# EAGLE board D-M-005_otherEagle (EAGLE 9.7.0), part 1 of 2 (continued)
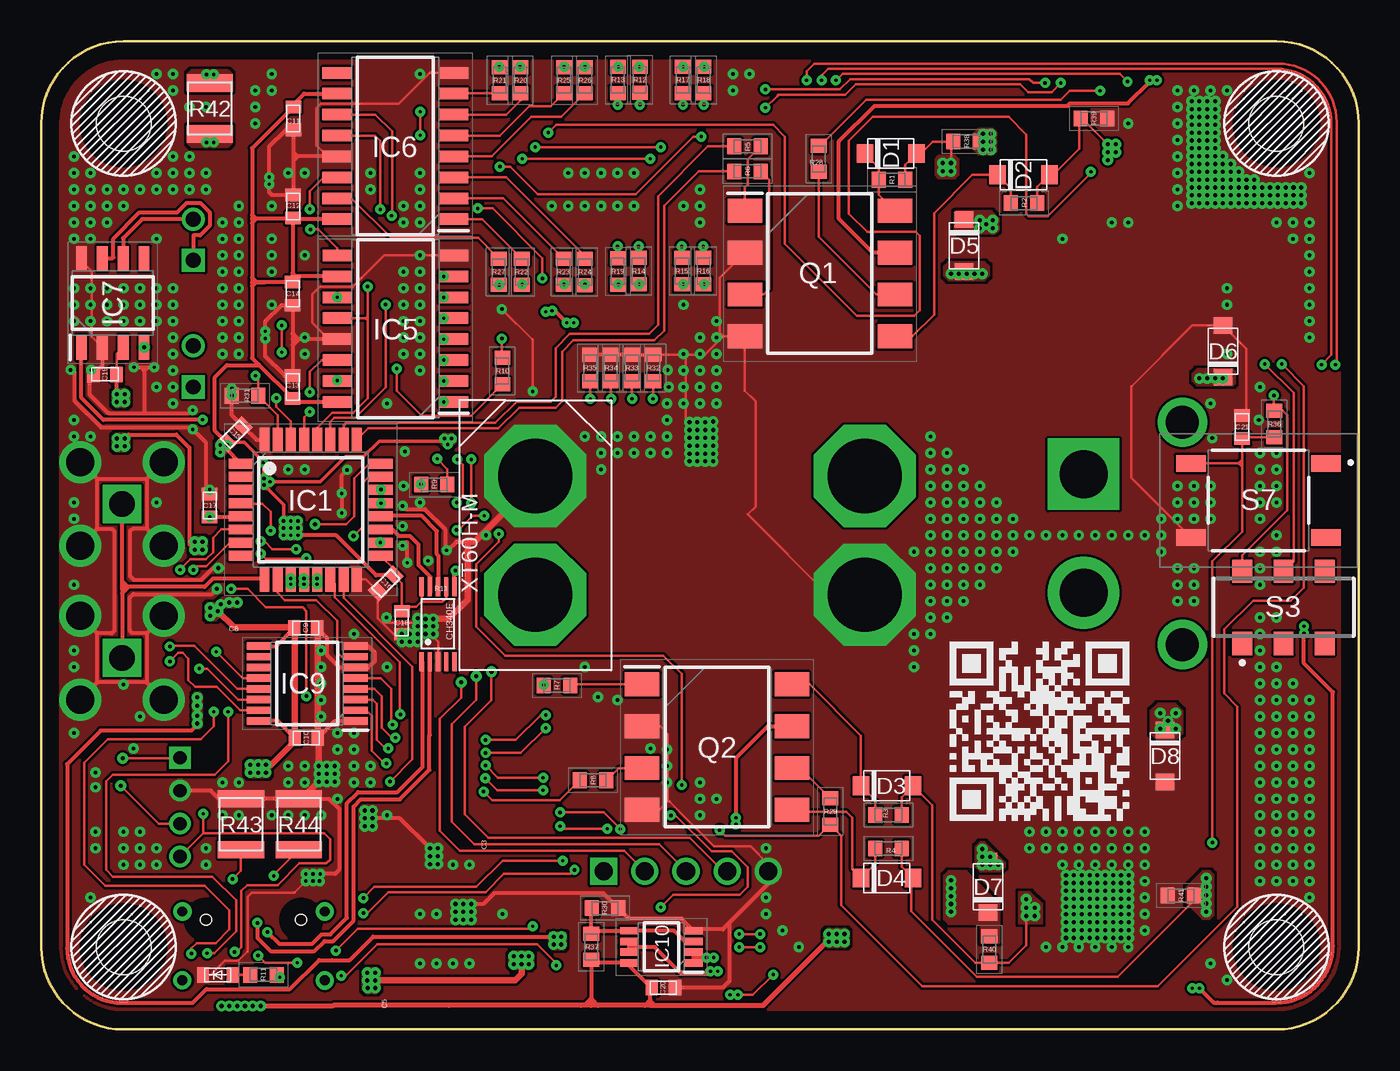
[diagram p0: board, top side]
## Tracks (layer width: path | path; a pad name or v marks a point on that pad's centre or on a via)
3.3V  (via drill 0.2, 0.2 pad 0.03, 0.25 pad 0.03)
  Top 0.152: C11.2 15.31,56.15 | 15.36,49.19 C12.2 15.27,49.22 | 23.09,25.99 23.09,25.95 24.36,25.95 24.59,26.18 IC11.VCC | 23.09,25.99 IC11.V3 | IC1.17 21.43,27.93 C16.2 21.9,27.1 C18.2 22.17,25.67 22.77,25.67 23.09,25.99 | v26.51,49.84 27.42,49.84 30.44,46.83 v30.44,45.6 | S3.4 72.93,28.8 75.64,31.51 75.64,37.3 75.4,37.55 R36.2 74.85,37.56 v74.85,38.49 | v27.86,52.38 28.49,52.38 30.16,50.72 36.11,50.72 39.6,54.21 v40.08,54.21 | v48.26,57.62 48.65,58.02 65.48,58.02 v65.96,57.54
  Top 0.203: v14.72,30.87 14.72,31.86 v13.53,33.06 v13.53,33.45 13.53,34.37 v13.49,34.41 13.52,34.44 12.32,35.64 C15.2 | v13.89,33.25 16.94,33.25 18.45,34.76 19.56,34.76 20.51,35.72 24.32,35.72 v24.48,35.87
  Top 0.254: v30.63,43.57 31.07,43.57 | 31.07,43.57 31.23,43.57 v31.9,42.9 v32.34,42.9 | IC6.10 15.97,56.81 15.31,56.15 | IC6.16 15.36,49.19 | 15.27,45.91 C14.2 13.57,45.37 | 15.27,45.91 15.27,49.22 13.05,49.22 | IC5.10 15.46,45.72 15.27,45.91 | IC5.16 15.48,38.1 C13.2 13.21,40.37 | IC1.1 11.26,35.22 C15.2 10.55,36.35 10.55,39.6 11.27,40.33 13.21,40.33 13.21,40.37 | C11.2 12.81,53.51 12.81,49.46 | 12.81,49.46 12.81,49.25 | 13.05,49.22 12.84,49.22 12.81,49.25 | 13.06,45.37 13.04,45.37 | 12.81,49.25 12.81,48.97 | 12.81,48.97 12.81,45.64 | 12.81,45.64 12.81,45.36 | 12.81,45.36 12.81,45.12 | 12.81,45.12 12.81,40.76 13.21,40.37 | 13.57,45.37 13.56,45.36 12.81,45.36 | 12.81,45.64 13.08,45.37 | 13.08,45.37 13.57,45.37 | 13.08,45.37 13.06,45.37 | 13.06,45.37 12.81,45.12 | 13.05,49.22 12.81,49.46 | 13.05,49.22 13.05,49.21 12.81,48.97 | C10.2 14.36,18.73 IC9.16 | C9.2 14.27,23.28 IC9.9 | IC1.5 12.08,31.11 C17.2 | C16.2 20.34,27.57 17.91,30 v15.59,30 | v31.02,43.63 31.07,43.57
  Top 0.406: v20.27,2.97 28.77,2.97 29.16,3.37 v29.16,3.96 | v12.7,16.07 13.96,16.07 15.39,17.5 C10.2 15.39,24.34 C9.2 15.36,24.4 11.72,24.4 v10.73,25.4
  Bottom 0.152: S4.3 24.43,51.62 24.91,52.1 | 24.91,52.1 25.16,52.34 25.16,54.53 24.7,54.98 19.75,54.98 19.25,54.48 S5.3 | 24.91,52.1 24.91,51.28 26.35,49.84 v26.51,49.84 27.86,51.19 v27.86,52.38 | v30.44,45.6 7SEG2.3 | v40.08,54.21 44.05,58.18 47.7,58.18 v48.26,57.62 | v65.96,57.54 68.02,55.48 68.02,49.69 68.65,49.05 73.58,49.05 76.27,46.35 76.27,39.92 v74.85,38.49
  Bottom 0.203: v31.9,42.9 31.9,42.86 v24.92,35.87 v24.48,35.87
  Bottom 0.254: 7SEG1.3 37.65,43.43 S1.4 S1.3 S1.2 S1.1 33.31,42.9 v32.34,42.9 v31.9,42.9 | 7SEG2.3 30.43,43.78 v30.63,43.57 30.96,43.57 v31.02,43.63 | v11.31,35.48 12.5,35.48 13.45,34.52 | v13.49,34.41 13.53,34.37 v13.53,33.45 | v14.72,30.87 10.47,30.87 C17.2
  Bottom 0.406: C6.2 21.2,3.43 IC4.2 | C6.2 22.14,3.47 22.14,9.86 IC4.4 | C6.2 v20.28,2.98 v20.27,2.97 | IC3.2 28.04,9.61 C4.2 | IC3.4 26.94,3.31 26.94,9.41 C4.2 | C4.2 29.03,10.05 29.16,9.92 v29.16,4.44 | v19.8,3.45 | v19.8,3.45 v20.27,3.45 20.2,3.53 20.2,5.59 20.83,6.23 20.83,8.65 20.06,9.42 19.3,9.42 16.86,11.86 13.69,11.86 12.97,12.58 12.97,15.39 v13.17,15.59 | 15.63,29.96 v15.59,30 | v14.72,30 14.72,28.69 13.93,27.9 12.66,27.9 12.35,27.59 12.35,26.61 11.9,26.16 v11.9,25.92 v11.43,25.92
  other vias: 19.8,2.97 28.69,4.44 29.6,4.44 28.69,3.96 29.6,3.96 13.17,16.07 13.65,16.07 12.7,15.59 13.65,15.59 15.16,30.87 15.59,30.87 14.72,30.44 15.16,30.44 15.59,30.44 15.16,30 10.23,31.11 10.87,35.48 10.87,35.04 24.68,35.52 19.82,2.52 10.9,25.8 10.27,25.59 10.27,25.12 20.28,2.51
  pour Bottom (no thermals): 19.76,2.34 20.31,2.34 20.43,2.46 20.43,3.48 20.31,3.6 19.76,3.6 19.65,3.48 19.65,2.46
  pour Top (no thermals): 19.76,2.34 20.31,2.34 20.43,2.46 20.43,3.48 20.31,3.6 19.76,3.6 19.65,3.48 19.65,2.46
  pour Bottom (no thermals): 28.65,3.81 29.64,3.81 29.76,3.93 29.76,4.48 29.64,4.6 28.65,4.6 28.54,4.48 28.54,3.93
  pour Top (no thermals): 28.65,3.81 29.64,3.81 29.76,3.93 29.76,4.48 29.64,4.6 28.65,4.6 28.54,4.48 28.54,3.93
  pour Bottom (no thermals): 12.66,15.44 13.68,15.44 13.8,15.56 13.8,16.1 13.68,16.22 12.66,16.22 12.54,16.1 12.54,15.56
  pour Top (no thermals): 12.66,15.44 13.68,15.44 13.8,15.56 13.8,16.1 13.68,16.22 12.66,16.22 12.54,16.1 12.54,15.56
  pour Bottom (no thermals): 14.65,29.81 15.66,29.81 15.78,29.93 15.78,30.94 15.66,31.06 14.65,31.06 14.53,30.94 14.53,29.93
  pour Top (no thermals): 14.65,29.81 15.66,29.81 15.78,29.93 15.78,30.94 15.66,31.06 14.65,31.06 14.53,30.94 14.53,29.93
  pour Top (no thermals): 10.19,30.95 10.28,30.95 10.36,31.02 10.36,31.23 10.11,31.23 10.11,31.02
  pour Top (no thermals): 10.79,34.82 10.99,34.82 11.52,35.36 11.52,35.59 11.42,35.69 10.75,35.69 10.65,35.59 10.65,34.96
  pour Bottom (no thermals): 10.79,34.82 10.99,34.82 11.52,35.36 11.52,35.55 11.38,35.69 10.75,35.69 10.65,35.59 10.65,34.96
  pour Bottom (no thermals): 13.46,32.87 13.75,32.87 14.08,33.19 14.08,33.32 13.75,33.64 13.46,33.64 13.34,33.52 13.34,32.99
  pour Top (no thermals): 13.46,32.87 13.75,32.87 14.08,33.19 14.08,33.32 13.75,33.64 13.46,33.64 13.34,33.52 13.34,32.99
  pour Top (no thermals): 24.6,35.3 24.76,35.3 25.13,35.68 25.13,35.95 25,36.09 24.41,36.09 24.27,35.95 24.27,35.64
  pour Bottom (no thermals): 24.6,35.3 24.76,35.3 25.13,35.68 25.13,35.95 25,36.09 24.41,36.09 24.27,35.95 24.27,35.64
  pour Bottom (no thermals): 11,26.14 10.7,25.84 10.66,25.82 10.17,25.82 10.04,25.7 10.04,25.01 10.17,24.89 10.58,24.89 10.9,25.21 10.9,25.5 10.92,25.55 11.04,25.66 11.08,25.68 11.97,25.68 12.13,25.85 12.13,26.02 12.01,26.14
  pour Top (no thermals): 11,26.14 10.7,25.84 10.66,25.82 10.17,25.82 10.09,25.75 10.72,25.03 10.9,25.21 10.9,25.46 10.92,25.51 11.08,25.66 11.12,25.68 11.97,25.68 12.13,25.85 12.13,26.02 12.01,26.14
  pour Top (no thermals): 10.15,24.84 10.6,24.84 10.78,25.02 10.04,25.76 9.99,25.72 9.99,24.99
5V  (via drill 0.25 pad 0.03)
  Top 0.152: IC7.3 4.58,41.01 C19.2 | v9.48,18.57 9.48,18.49
  Top 0.254: v4.6,38.57 4.58,38.59 C19.2 | v5.08,35.87 5.31,36.11 8.21,36.11 9,35.32 9,29.45 v9.32,29.13 | v9.48,19.05 9.48,18.49 9.12,18.13 3.61,18.13 1.58,16.11 1.58,4.92 arc90 4.88,1.62 9.2,1.62 10.03,2.44 15.1,2.44 16.87,4.21 17.64,4.21 17.65,4.2 18.73,4.2 20.16,5.63 v31.59,5.63
  Bottom 0.254: v4.6,35.87 v4.6,38.1 | J5.1 34.08,9.6 31.11,6.62 v31.11,5.63 | 31.67,5.63 v31.59,5.63 | v9.8,29.13 9.96,28.97 9.96,26.87 9.66,26.57 9.66,23.07 8.93,22.34 8.93,21.11 9.46,20.57 9.46,20.18 v9.48,20.16
  Bottom 0.406: IC8.3 13.6,25.02 C8.1 11.66,25 11.58,25 10.04,23.45 9.66,23.07
  other vias: 5.08,38.1 5.08,38.57 4.6,35.4 5.08,35.4 9.48,19.64 9.32,29.6 9.8,29.6 31.11,5.16 31.59,5.16
  pour Top (no thermals): 4.53,37.87 5.14,37.87 5.31,38.03 5.31,38.64 5.14,38.8 4.53,38.8 4.37,38.64 4.37,38.03
  pour Top (no thermals): 4.53,35.17 5.14,35.17 5.31,35.33 5.31,35.94 5.14,36.1 4.53,36.1 4.37,35.94 4.37,35.33
  pour Bottom (no thermals): 4.53,37.87 5.14,37.87 5.31,38.03 5.31,38.64 5.14,38.8 4.53,38.8 4.37,38.64 4.37,38.03
  pour Bottom (no thermals): 4.53,35.17 5.14,35.17 5.31,35.33 5.31,35.94 5.14,36.1 4.53,36.1 4.37,35.94 4.37,35.33
  pour Bottom (no thermals): 9.33,18.34 9.63,18.34 9.71,18.42 9.71,20.3 9.63,20.39 9.37,20.39 9.25,20.26 9.25,18.42
  pour Bottom (no thermals): 9.26,28.9 9.86,28.9 10.03,29.06 10.03,29.67 9.86,29.83 9.26,29.83 9.09,29.67 9.09,29.06
  pour Top (no thermals): 9.33,18.34 9.63,18.34 9.71,18.42 9.71,20.3 9.63,20.39 9.37,20.39 9.25,20.26 9.25,18.42
  pour Top (no thermals): 9.26,28.9 9.86,28.9 10.03,29.06 10.03,29.67 9.86,29.83 9.26,29.83 9.09,29.67 9.09,29.06
  pour Bottom (no thermals): 31.04,4.93 31.69,4.93 31.82,5.05 31.82,5.78 31.77,5.82 30.96,5.82 30.88,5.74 30.88,5.09
  pour Top (no thermals): 31.04,4.93 31.69,4.93 31.82,5.05 31.82,5.78 31.77,5.82 30.96,5.82 30.88,5.74 30.88,5.09
7SEG_A1  (via drill 0.2 pad 0.03)
  Top 0.152: IC5.6 v24.44,44.45 | R12.1 v36.35,56.15
  Bottom 0.152: v24.44,44.45 24.44,44.92 25.47,45.95 25.47,47.37 33.7,55.6 36.07,55.6 36.35,55.88 v36.35,56.15
7SEG_A2
  Top 0.152: IC6.6 28.23,55.54 29.11,56.41 R20.1
7SEG_B1  (via drill 0.2 pad 0.03)
  Top 0.152: IC5.7 v24.44,45.72 | v35,56.15 35,56.83 R13.1
  Bottom 0.152: v24.44,45.72 24.52,45.72 25.16,46.35 25.16,47.49 33.83,56.15 v35,56.15
7SEG_B2
  Top 0.152: R21.1 25.05,56.83
  Top 0.254: 25.05,56.83 IC6.7
7SEG_C1  (via drill 0.2 pad 0.03)
  Top 0.152: IC5.1 v24.45,38.1 v24.44,38.1 | R14.1 36.27,46.85 v36.27,47.54
  Bottom 0.152: v24.44,38.1 27.1,40.76 27.1,46.55 27.98,47.42 28.69,48.14 35.67,48.14 v36.27,47.54
7SEG_C2
  Top 0.152: IC6.1 26.78,49.19 R22.1
7SEG_D1  (via drill 0.2 pad 0.03)
  Top 0.152: IC5.2 v24.45,39.37 v24.44,39.37 | R15.1 38.89,46.86 v38.89,47.54
  Bottom 0.152: v24.44,39.37 26.78,41.71 26.78,46.79 28.45,48.45 37.98,48.45 v38.89,47.54
7SEG_D2
  Top 0.152: IC6.2 28.05,50.46 R23.1
7SEG_DP1  (via drill 0.2 pad 0.03)
  Top 0.152: IC5.15 v17.97,39.4 v17.97,39.41 | R19.1 35,46.84 v35,47.54
  Bottom 0.152: v17.97,39.41 21.98,39.41 23.97,37.42 25.56,37.42 32.31,44.17 33.77,44.17 34.05,44.45 34.05,46.59 v35,47.54
7SEG_DP2
  Top 0.152: R27.1 26.53,48.06 21.24,48.06 18.84,50.46 IC6.15
7SEG_E1  (via drill 0.2 pad 0.03)
  Top 0.152: IC5.3 v24.45,40.64 v24.44,40.64 | R16.1 40.2,46.86 v40.2,47.54
  Bottom 0.152: v24.44,40.64 26.43,42.62 26.43,46.99 28.21,48.77 38.97,48.77 v40.2,47.54
7SEG_E2
  Top 0.152: R24.1 33.02,46.95 28.24,51.73 IC6.3
7SEG_F1  (via drill 0.2 pad 0.03)
  Top 0.152: IC5.5 v24.45,43.18 v24.44,43.18 | R17.1 38.97,56.84 v38.97,56.15
  Bottom 0.152: v24.44,43.18 24.44,43.69 25.79,45.04 25.79,47.26 33.8,55.27 38.08,55.27 v38.97,56.15
7SEG_F2
  Top 0.152: IC6.5 27.86,54.27 29.62,56.03 30.95,56.03 R25.1
7SEG_G1  (via drill 0.2 pad 0.03)
  Top 0.152: IC5.4 v24.45,41.91 v24.44,41.91 | R18.1 40.24,56.84 v40.24,56.15
  Bottom 0.152: v40.24,56.15 39.05,54.96 33.93,54.96 26.11,47.14 26.11,43.57 v24.44,41.91
7SEG_G2
  Top 0.152: R26.1 31.59,55.4 29.76,55.4 27.36,53 IC6.4
7SEG_QH'  (via drill 0.2 pad 0.03)
  Top 0.152: IC5.9 17.97,47.43 16.82,48.57 v16.35,48.57 | v16.31,49.8 16.31,50.88 17.15,51.73 IC6.14
  Bottom 0.152: v16.31,49.8 16.31,48.61 v16.35,48.57
7SEG_RCK  (via drill 0.2 pad 0.03)
  Top 0.152: IC6.12 20.25,54.27 20.58,53.94 v20.58,49.79 | 19.82,43.31 v19.82,45.1 | 19.82,43.31 19.68,43.18 | IC5.12 19.68,43.18 | 19.82,43.05 19.82,38.31 18.95,37.44 17.68,37.44 16.76,36.52 IC1.28 | 19.82,43.05 19.82,43.31 | 19.68,43.18 19.82,43.05
  Bottom 0.152: v19.82,45.1 20.42,45.71 20.42,49.63 v20.58,49.79
7SEG_SCK  (via drill 0.2 pad 0.03)
  Top 0.152: IC6.11 20.29,55.54 21.31,54.53 21.31,49.44 v21.27,49.4 | IC1.27 17.56,36.89 17.8,37.13 19.07,37.13 20.91,38.98 v20.91,44.01
  Bottom 0.152: IC5.11 20.73,44.45 | 20.93,44.64 20.93,44.45 | 20.93,44.45 20.93,44.26 | 20.93,44.26 20.93,44.02 v20.91,44.01 | 20.73,44.45 20.93,44.64 | 20.73,44.45 20.93,44.26 | 20.73,44.45 20.92,44.45 20.93,44.45 | 20.93,44.64 20.93,49.06 v21.27,49.4
  other vias: 17.97,44.45
7SEG_SI  (via drill 0.2 pad 0.03)
  Top 0.152: IC5.14 17.02,40.64 16.31,39.92 v16.31,38.69 | IC1.29 15.96,37.16 v16.31,37.5
  Bottom 0.152: v16.31,37.5 v16.31,38.69
ADD_SW1  (via drill 0.2, 0.2 pad 0.03)
  Top 0.152: R32.2 37.16,38.31 v37.14,38.3 | IC9.2 19.73,19.38 20.07,19.03 20.07,16.91 20.83,16.15 v20.96,16.15 | v47.38,57.62 47.38,57.94 47.78,58.34 74.98,58.34 arc-90 78.34,54.98 78.34,40.95 v77.74,40.36 | v34.36,12.18 31.67,12.18 v31.51,12.34 | v30.48,14.52 27.7,14.52 v26.96,15.26
  Bottom 0.152: v37.14,38.3 S1.5 37.14,39.92 41.87,44.64 41.87,52.11 v47.38,57.62 | v20.96,16.15 21.55,15.55 26.47,15.55 26.77,15.26 v26.96,15.26 | v77.74,40.36 78.34,39.76 78.34,5.02 arc-90 74.98,1.66 44.29,1.66 43,2.95 39.94,2.95 39.17,3.73 39.17,7.38 37.86,8.69 37.86,10.47 35.55,12.78 34.92,12.78 34.36,12.22 v34.36,12.18 | v31.51,12.34 31.31,12.34 30.91,12.74 30.91,14.2 30.6,14.52 v30.48,14.52
ADD_SW2  (via drill 0.2, 0.2 pad 0.03)
  Top 0.152: R33.2 v35.87,38.3 | IC9.3 20.13,20.03 20.38,19.78 20.38,17.57 20.89,17.06 v21.07,17.06 | v46.47,57.62 46.47,58.18 46.94,58.64 75.1,58.64 arc-90 78.66,55.09 78.66,40.44 v78.58,40.36 | v31.51,13.17 34.17,13.17 35.16,12.18 v35.16,12.16 | v30.48,15.28 27.73,15.28 v26.98,16.03
  Bottom 0.152: v35.87,38.3 S1.6 35.87,39.21 41.51,44.84 41.51,52.66 v46.47,57.62 | v78.58,40.36 78.66,40.28 78.66,4.9 arc-90 75.1,1.35 44.17,1.35 42.88,2.64 39.46,2.64 38.85,3.25 38.85,7.26 38.04,8.07 36.25,8.07 35.44,8.88 35.44,11.9 35.17,12.16 v35.16,12.16 | v31.51,13.17 31.51,13.21 31.23,13.49 31.23,14.6 30.55,15.28 v30.48,15.28 | v21.07,17.06 21.23,17.06 21.39,16.9 21.39,16.51 22.03,15.87 26.82,15.87 v26.98,16.03
ADD_SW3  (via drill 0.2, 0.2 pad 0.03)
  Top 0.152: R34.2 34.57,38.33 v34.6,38.3 | IC9.4 20.23,20.68 20.68,20.23 20.68,18.32 21.29,17.71 v21.51,17.71 | v26.11,34.6 v26.11,31.95 | v26.98,16.79 29.13,16.79 v30.63,18.29
  Bottom 0.152: v34.6,38.3 S1.7 34.6,37.14 34.27,36.81 32.83,36.81 31.86,37.78 28.57,37.78 26.11,35.32 v26.11,34.6 | v21.51,17.71 21.65,17.71 21.74,17.62 21.74,16.59 22.14,16.19 26.38,16.19 v26.98,16.79 | v26.11,31.95 26.07,31.91 26.07,24.48 28.45,22.1 30.91,22.1 31.85,21.16 31.85,19.51 v30.63,18.29
ADD_SW4  (via drill 0.2, 0.2 pad 0.03)
  Top 0.152: R35.2 v33.33,38.3 | IC9.5 20.61,21.33 21.27,20.67 21.27,18.56 v21.33,18.5 | v25.24,31.98 25.24,32.02 25.59,32.38 25.59,34.29 v25.28,34.6 | v26.98,17.58 28.81,17.58 30.32,19.09 v30.63,19.09
  Bottom 0.152: v33.33,38.3 S1.8 33.09,38.08 28.16,38.08 25.28,35.2 v25.28,34.6 | v21.33,18.5 21.97,18.5 22.06,18.41 22.06,16.81 22.36,16.51 25.95,16.51 26.98,17.54 v26.98,17.58 | v25.24,31.98 25.24,31.86 25.75,31.35 25.75,24.32 28.29,21.79 30.79,21.79 31.55,21.03 31.55,19.68 30.95,19.09 v30.63,19.09
BOOT0  (via drill 0.2, 0.2 pad 0.03)
  Top 0.152: IC1.31 14.36,37.3 R31.2 13.18,39.51 v13.01,39.68 | S3.5 76.04,28.44 76.04,38.65 v74.29,40.4 | v30.79,54.45 31.27,54.92 44.45,54.92 45.16,54.21 45.16,47.7 49.52,43.34 53.02,43.34 53.34,43.65 53.34,48.18 53.1,48.41 50.16,48.41 49.04,49.53 49.04,53.96 50.48,55.4 58.73,55.4 59.8,54.33 59.8,49.53 59.97,49.37 61.11,49.37 63.73,51.99 v63.73,52.07
  Bottom 0.152: v13.01,39.68 12.77,39.92 12.77,51.87 13.85,52.94 13.85,55.76 14.96,56.87 26.9,56.87 28.76,55 30.24,55 v30.79,54.45 | v74.29,40.4 74.29,45.48 72.23,47.54 65,47.54 63.73,48.81 v63.73,52.07
CAN_H
  Top 0.254: J6.1 9.24,48.21 9.65,48.21 10.22,48.79 10.22,49.6 9.65,50.18 8.83,50.18 8.26,49.61 5.97,49.61 4.38,48.01 4.38,46.88 4.31,46.81 IC7.7
  Bottom 0.254: J4.1 9.24,40.52 9.65,40.52 10.22,41.1 10.22,41.91 9.64,42.5 9.64,46.3 J6.1 9.64,47.1 9.64,48.21 9.65,48.21 10.22,48.79 10.22,49.55 11.9,51.23 11.9,52.93 S2.5
CAN_L
  Top 0.254: IC7.6 4.98,48.04 6.13,49.2 J6.2
  Bottom 0.254: S2.2 11.46,56.89 11.46,51.42 J6.2 9.24,47.69 8.43,47.69 8.25,47.52 8.25,45.88 8.42,45.71 9.2,45.71 9.23,45.68 9.23,42.33 9.24,42.32 J4.2
GATE_BASE1  (via drill 0.2 pad 0.03)
  Top 0.254: IC10.7 35.7,5 | 35.7,5 IC10.6 | v41.07,3.53 v40.63,3.53 40.52,3.41 38.84,3.41 37.25,5 35.7,5 | v69.89,2.5 v70.32,2.5 71.19,1.62 71.43,1.62 74.99,1.62 arc90 78.42,5.05 78.42,20.48 76.67,22.22 v76.67,24.05 v76.67,24.48 | Q1.7 50.5,47.16 48.43,49.23 48.43,53.91 50.6,56.08 62.32,56.08 62.46,56.22 65.98,56.22 67.31,57.54 v67.31,57.62 v67.74,57.62
  Bottom 0.254: v40.63,3.53 v41.07,3.53 43.06,3.53 44.25,2.34 69.73,2.34 v69.89,2.5 v70.32,2.5 | v76.67,24.05 v76.67,24.48 76.99,24.8 76.99,40.72 78.38,42.11 78.38,54.99 arc90 74.99,58.38 68.5,58.38 v67.74,57.62 v67.31,57.62
GATE_BASE2  (via drill 0.2 pad 0.03)
  Top 0.254: 39.6,4.4 IC10.1 | IC10.2 39.6,4.4 | 39.6,4.4 39.64,4.36 v40.4,4.36 40.79,4.36 | v42.18,12.46 v42.18,12.86 42.18,16.47 44.13,18.41 Q2.7
  Bottom 0.254: v40.83,4.36 v40.4,4.36 42.3,4.36 42.7,4.36 43.02,4.68 43.02,8.9 42.87,9.05 42.87,11.05 42.18,11.74 v42.18,12.46 v42.18,12.86
GATE_N1
  Top 0.152: R2.1 58.87,51.08 D2.1 56.53,51.89 54.21,49.57 54.21,43.39 52.9,42.08 Q1.5
GATE_N2
  Top 0.152: R4.2 50.63,10.07 D4.1 49.25,9.73 49.25,12.86 48.89,13.21 45.7,13.21 Q2.5
GATE_P1
  Top 0.152: D1.1 50.86,52.32 R1.1 50.86,50.66 Q1.8
GATE_P2
  Top 0.152: R3.2 50.63,13.93 D3.1 49.77,17.84 46.66,20.95 Q2.8
GND  (via drill 0.2 pad 0.03, 0.22, 0.25 pad 0.03)
  Top 0.152: 15.31,52.86 15.45,53 | C13.1 | Q2.4 37.54,13.33 38.05,13.85 | 38.05,13.85 38.05,17.94 37.58,18.41 Q2.2 | Q1.4 42.73,38.78 43.37,38.14 43.37,31.75 42.9,31.27 47.77,26.4 S9.- | Q1.4 41.81,42.08 | 41.19,42.06 41.19,42.29 | 41.19,42.29 41.19,45.62 Q1.2 | R32.1 38.95,40.95 | 38.95,40.95 39.14,40.95 | 39.14,40.95 39.33,40.95 | 39.33,40.95 40.28,40.95 41.19,41.87 | 41.19,41.87 41.19,42.06 | Q1.4 41.4,42.08 | 41.4,42.08 41.21,42.08 41.19,42.06 | 41.19,41.87 41.4,42.08 | 41.4,42.08 41.19,42.29 | IC1.16 19.7,27.32 C16.1 20.44,24.97 20.72,24.69 | 20.72,24.69 21.41,23.99 C18.1 23.63,23.99 24.09,23.52 IC11.GND | IC7.8 2.44,46.68 3.08,46.05 3.08,42.04 IC7.2 | DATA_TRANSMISSION_LED.1 10.29,3.31 11.15,4.17 11.96,4.17 12.54,4.74 12.54,8.05 12.77,8.29 15.35,8.29 v16.07,9 | IC6.13 17.39,53 16.7,53.69 16.7,55.92 16.98,56.19 21.7,56.19 23.59,58.08 IC6.8 | J5.5 44.15,10.03 43.07,11.11 40.87,11.11 38.13,13.85 38.05,13.85 | UART_LED.1 29.84,41.87 v29.84,38.73 | C10.1 16.86,17.62 | IC5.8 20.84,46.99 18.93,45.08 16.9,45.08 16.46,44.64 16.46,42.9 17.45,41.91 IC5.13 | 20.72,24.69 22.65,24.69 v22.86,24.48 | v39.37,36.87 39.14,37.09 39.14,40.95 | 39.33,40.95 39.14,40.77 38.95,40.95 | C21.1 73.18,37.54 73.18,41.32 D6.2 69.9,42.75 66.17,39.03 66.17,33.51 S7.D1
  Top 0.254: J2.4 6.42,30.4 | 6.42,30.4 5.55,30.4 5.39,30.24 5.39,27.54 5.63,27.3 9.72,27.3 10.43,28.02 v10.75,28.02 | J2.3 6.42,33.42 | 6.42,33.42 6.42,33.41 6.42,30.4 | J2.2 3.4,33.42 | 3.4,33.42 6.42,33.42 | J2.5 3.4,30.39 | 3.4,30.39 3.4,33.42 | 3.4,30.39 4.28,30.39 4.44,30.24 4.44,24.21 4.28,24.05 3.42,24.05 | 3.42,24.05 J1.2 | J1.5 3.42,21.07 | 3.42,21.07 3.42,24.05 | J1.4 6.4,21.07 | 6.4,21.07 3.42,21.07 | J1.3 6.4,24.05 | 6.4,24.05 6.4,21.07 | 6.4,24.05 5.54,24.05 5.39,24.21 5.39,26.23 5.59,26.43 10.35,26.43 v10.67,26.75 | IC7.2 3.71,40.31 C19.1 | C19.1 2.93,39.53 2.93,38.57 4.08,37.42 6.27,37.42 | v18.25,31.35 v18.25,32.54 18.25,33.65 v18.57,33.97 | v5.63,40.2 6.07,40.2 | 6.07,40.2 6.46,40.2 | 6.46,40.2 v6.86,40.2 | 6.07,40.2 6.27,40 | 6.27,40 6.27,37.42 | 6.27,40 6.46,40.2 | v1.78,40.04 1.9,40.04 2.02,39.92 2.02,38.18 3.65,36.55 9.08,36.55 v9.2,36.43 10,35.64 10,32.75 C17.1 | C19.1 3.18,39.91 v3.05,40.04 | S8.- 30,33.3 | 24.68,29.09 24.52,29.25 24.52,30.36 23.29,31.59 22.14,31.59 v21.94,31.79 | v22.22,28.33 22.22,29.56 22.14,29.56 v21.94,29.36 | 15.31,53.26 C11.1 14.83,54.6 13.85,53.61 v13.85,51.75 v13.85,51.31 13.85,50.84 14.03,50.66 C12.1 15.31,50.66 15.31,52.75 | 15.31,53.26 15.31,52.86 15.31,52.75 | IC6.13 15.56,53 | 15.45,53 15.56,53 | 15.27,42.26 C14.1 14.59,43.97 13.61,42.98 v13.61,42.38 v13.61,41.95 13.61,40.88 14.78,39.71 C13.1 | 15.27,42.26 15.27,41.91 | 15.27,41.91 15.27,41.55 | 15.27,41.55 C13.1 | IC5.13 15.63,41.91 | 15.62,41.91 15.42,41.91 15.27,41.91 | 15.31,53.26 15.56,53 | 15.31,52.75 15.56,53 | 15.27,42.26 15.62,41.91 | 15.62,41.91 15.63,41.91 | 15.63,41.91 15.27,41.55 | IC1.32 13.09,35.79 C15.1 11.58,37.3 R31.1
  Top 0.254: R32.1 R33.1 R34.1 R35.1 | J5.5 44.15,8.83 41.79,6.46 | 41.79,6.46 41.39,6.07 39.68,6.07 IC10.4 38.87,6.73 35.66,6.73 R30.1 34.1,8.29 27.54,8.29 26.86,7.62 v26.11,7.62 | 41.79,6.46 41.79,2.93 41.39,2.54 C20.1 | R44.1 R43.1 10.79,14 10.3,14.49 J3.2 | v16.94,9.44 17.85,9.44 18.09,9.68 18.09,13.39 17.47,14 R44.1 | R44.1 15.83,14 | C10.1 17.83,18.73 IC9.1 | C9.1 17.34,23.79 17.34,22.73 18.1,21.98 IC9.6 19.12,21.94 19.84,21.94 20.27,22.38 20.27,22.86 19.86,23.28 IC9.8 | 6.27,37.42 9.03,37.42 v9.2,37.59 | v23.61,10.99 21.78,12.82 v20.12,12.82 | 24.68,29.09 25.22,29.62 25.89,29.62 | 24.68,29.09 v24.61,29.09
  Top 0.406: 30,33.3 26.33,29.62 25.89,29.62 25.89,26.09 24.72,24.92 v23.81,24.92 | 15.83,14 v16.86,15.04 | C9.1 16.79,24.34 C10.1 | v16.86,15.99 16.86,17.62 | 24.05,11.03 v24.09,10.99
  Bottom 0.152: 14.13,51.26 18.9,51.26 S4.1 19.52,51.62 20.66,50.48 22.54,50.48 23.01,50.95 23.01,52.53 S5.1 | 14.11,51.26 13.89,51.26 v13.85,51.31 | 14.13,51.26 13.85,51.55 | 13.85,51 14.11,51.26 | 14.11,51.26 14.13,51.26 | v29.84,38.73 32.06,40.95 R35.1 | POWER_LED.1 22.38,34.07 22.32,34.07
  Bottom 0.254: 11.7,37.38 10.51,37.38 10.3,37.59 9.56,37.59 9.54,37.58 v9.2,37.58 | 11.7,37.38 14.88,37.38 18.29,33.97 v18.57,33.97 | v9.2,36.43 10.35,36.43 10.47,36.55 14.52,36.55 18.25,32.82 v18.25,32.54 18.09,32.38 12.42,32.38 8.93,35.87 | 8.65,36.15 6.7,38.1 6.7,40.16 | 8.65,36.15 8.93,35.87 | 8.45,35.16 10.47,33.13 | 10.47,33.13 12.1,31.51 18.09,31.51 v18.25,31.35 18.81,30.79 21.7,30.79 | v5.63,40.2 5.83,40 5.83,37.78 8.16,35.45 | 8.16,35.45 8.16,35.16 | J2.3 8.16,35.16 | 8.16,35.16 8.45,35.16 | 8.45,35.16 8.16,35.45 | v1.78,40.04 v3.05,40.04 | v23.49,28.45 23.37,28.33 v22.22,28.33 | v21.94,29.36 v21.94,30.56 | v21.94,30.56 v21.94,31.79 21.94,31.03 | v21.94,30.56 21.7,30.79 | 21.94,31.03 21.7,30.79 | v23.49,28.45 23.49,30.04 22.74,30.79 22.18,30.79 | 22.18,30.79 21.7,30.79 | v21.94,30.56 22.18,30.79 | 21.94,31.03 22.18,30.79 | S8.- 29.59,34.01 22.38,34.01 22.32,34.07 17.32,39.07 17.32,40.54 15.91,41.95 v13.61,41.95 v13.61,42.38 13.65,42.42 13.65,50.84 13.85,51.03 v13.85,51.31 13.85,51.55 v13.85,51.75 | U$4.B1,A12:GND 9.69,9.5 11.74,11.55 11.74,16.27 12.24,16.76 16.13,16.76 IC2.2 | v9.2,37.58 v9.2,37.59 | v9.2,36.43 v9.2,37.58 | v9.2,36.43 8.93,36.15 | 8.93,36.15 8.65,36.15 | 8.93,36.15 8.93,35.87 | v10.75,28.02 10.75,26.82 v10.67,26.75 | 11.7,37.38 11.58,37.5 v11.58,38.49 v11.58,38.93 | 10.47,33.13 10.47,33.02 v10.23,32.78 | IC3.1 25.74,7.72 v25.63,7.62 | v24.61,29.09 23.98,28.45 v23.49,28.45
  Bottom 0.406: 21.46,1.39 C6.1 23.5,3.43 IC4.1 | IC3.1 25.74,9.6 C4.1 26.19,11.21 C3.1 24.09,11.23 v24.09,10.99 v24.09,10.51 v24.09,10.04 24.32,10.04 24.44,9.92 24.44,2.26 23.52,1.34 21.52,1.34 21.46,1.39 | U$4.A1,B12:GND 16.07,7.75 v16.07,9 | C8.2 C7.2 19.53,22.41 IC8.2 | v17.82,15.04 17.85,15 17.85,15.04 IC2.2 | 21.46,1.39 C5.1
  other vias: 71.27,54.92 71.27,54.45 71.27,53.97 71.27,53.5 71.27,53.02 71.27,52.54 71.27,52.07 71.27,51.59 71.27,51.11 71.27,50.64 71.75,53.02 71.75,52.54 72.23,52.54 71.75,52.07 72.23,52.07 71.75,51.59 72.23,51.59 71.75,51.11 72.23,51.11 71.75,50.64 72.23,50.64 72.7,50.64 72.7,51.11 72.7,51.59 72.7,52.07 73.18,51.59 73.18,51.11 73.18,50.64 73.66,51.59 73.66,51.11 73.66,50.64 74.13,51.11 74.13,50.64 74.61,50.64 74.61,51.11 75.08,51.11 75.08,50.64 71.27,55.4 75.56,51.11 75.56,50.64 76.04,51.11 76.04,50.64 71.27,55.88 71.27,56.35 70.8,56.35 70.8,55.88 70.8,55.4 70.8,54.92 70.8,54.45 70.8,53.97 70.8,53.5 70.8,53.02 70.8,52.54 70.8,52.07 70.8,51.59 70.8,51.11 70.8,50.64 76.04,50.16 75.56,50.16 75.08,50.16 74.61,50.16 74.13,50.16 73.66,50.16 73.18,50.16 72.7,50.16 72.23,50.16 71.75,50.16 71.27,50.16 70.8,50.16 70.32,50.16 70.32,50.64 70.32,51.11 70.32,51.59 70.32,52.07 70.32,52.54 70.32,53.02 70.32,53.5 70.32,53.97 70.32,54.45 70.32,54.92 70.32,55.4 70.32,55.88 70.32,56.35 76.51,51.11 76.51,50.64 76.51,50.16 69.84,50.16 69.84,50.64 69.84,51.11 69.84,51.59 69.84,52.07 69.84,52.54 69.84,53.02 69.84,53.5 69.84,53.97 69.84,54.45 69.84,54.92 69.84,55.4 69.84,55.88 69.84,56.35 66.03,9.36 65.56,9.36 65.08,9.36 64.61,9.36 64.13,9.36 66.03,8.89 66.03,8.41 66.03,7.93 66.03,7.46 66.03,6.98 66.03,6.5 66.03,6.03 66.03,5.55 63.65,9.36 63.18,9.36 62.7,9.36 65.56,8.89 65.08,8.89 64.61,8.89 64.13,8.89 63.65,8.89 63.18,8.89 62.7,8.89 62.7,8.41 63.18,8.41 63.65,8.41 64.13,8.41 64.61,8.41 65.08,8.41 65.56,8.41 65.56,7.93 65.08,7.93 64.61,7.93 64.13,7.93 63.65,7.93 63.18,7.93 62.7,7.93 65.56,7.46 65.08,7.46 62.23,9.36 62.23,8.89 62.23,8.41 62.23,7.93 62.23,7.46 62.23,6.98 62.23,6.5 62.23,6.03 62.23,5.55 62.7,5.55 63.18,5.55 63.65,5.55 64.13,5.55 64.61,5.55 65.08,5.55 65.56,5.55 65.56,6.03 65.08,6.03 64.61,6.03 64.13,6.03 63.65,6.03 63.18,6.03 62.7,6.03 62.7,6.5 63.18,6.5 63.65,6.5 64.13,6.5 64.61,6.5 65.08,6.5 65.56,6.5 65.56,6.98 65.08,6.98 64.61,6.98 64.61,7.46 64.13,7.46 64.13,6.98 63.65,6.98 63.65,7.46 63.18,7.46 63.18,6.98 62.7,6.98 62.7,7.46 39.37,34.48 39.84,34.48 40.32,34.48 40.79,34.48 39.37,34.96 39.84,34.96 40.32,34.96 40.79,34.96 40.32,35.44 40.79,35.44 39.84,35.44 39.37,35.44 39.37,35.91 39.84,35.91 40.32,35.91 40.79,35.91 40.79,36.39 40.32,36.39 39.84,36.39 39.37,36.39 39.84,36.87 40.32,36.87 40.79,36.91 16.07,9.44 16.5,9.44 16.5,9.01 16.9,9.01 17.34,15.51 17.34,15.99 17.34,15.04 17.81,15.51 17.81,15.99 16.86,15.51 23.61,10.04 23.61,10.51 27.97,43.73 22.86,24.01 23.33,24.01 22.86,23.53 22.86,24.96 23.81,24.01 23.81,24.48 25.16,7.14 25.63,7.14 26.11,7.14 25.16,7.62 23.33,24.48 23.33,24.92 22.38,23.53 22.38,24.01 21.9,23.53 21.9,24.01 19.64,13.29 20.12,13.29 20.12,12.34 19.64,12.82 19.64,12.34 25.16,6.66 25.63,6.66 26.11,6.66 2,53 2,52 2,51 3,51 3,52 4,51 5,51 6,51 7,51 8,51 8,53 7,52 8,52 9,51 9,52 9,53 10,52 10,51 7,58 8,58 8,57 9,56 10,56 13,56 13,57 13,55 14,57 14,58 16,52 15,52 14,50 14,48 14,47 14,46 16,47 20,51 20,52 23,50 23,49 22,49 22,50 23,51 23,52 23,47 23,46 22,46 22,45 23,45 23,44 22,44 22,42 22,43 23,43 23,42 23,41 22,41 23,40 16,42 16,41 2,50 3,50 4,50 5,50 2,49 3,49 4,49 2,48 3,48 2,45 2,45 3,45 4,45 5,45 6,45 7,45 7,48 8,45 2,44 3,44 4,44 6,44 5,44 7,44 8,44 8,43 7,43 6,43 5,43 4,43 3,43 2,43 2,37 12,50 12,49 11,49 11,48 11,47 12,48 12,47 12,46 12,45 11,45 11,46 11,44 11,43 11,42 11,41 12,41 12,42 11,43 12,43 12,44 14,44 7,39 8,39 8,41 8,40 8,42 8,38 3,36 2,36 2,32 2,31 7,32 2,27 2,23 2,22 6,19 2,18 5,20.94 6,12 5,12 5,11 6,11 7,11 5,10 6,10 7,10 3,8 3.3,11 3.3,12 5.6,17.05 3.3,14.7 3.3,15.6 10,11 10,10 11,13 12,13 11,15 12,15 17,23 17,22 17,21 17,20 14,13 15,13 15,15 16,16 16,15 16,13 17,13 18,14 19,15 19,16 20,15 20,16 15,16 18,17 19,17 19,18 18,18 17,19 21,22 19,24 20.96,25 21,13 25,10 26,10 23,7 24,7 25,4 26,4 27,30 22.08,35.08 23,32 22,33 15,34 16,34 23,58 21,38 28,7 35,20 33.81,20.19 33,22 33,36 34,36 34,35 34,34 35,35 35,36 36,36 39,44 36,35 37,36 37,35 38,36 38,35 38,37 38,38 38.1,39 38.04,40.04 39,41 40,42 41,43 41,42 41,41 41,41 40,41 39,40 39,39 39,38 40,38 40,39 40,40 41,40 41,39 41,38 40,49 40,50 40,51 39,50 36,50 35,50 34,50 33,50 32,50 31,50 36,52 35,52 34,52 33,52 32,52 42,58 43,58 42,57 41,14 40,13 40,14 40,15 37,17.06 38,17 38,16 38,15 44,8 44,7 44,11 45,6 46,5 66,55 65,49 66,49 62,48 69,57 72,57 71,57 70,57 69,56 69,55 69,54 69,53 69,52 69,51 69,50 77,52 77,49 76,49 75,49 76,48 77,48 77,47 77,46 77,45 77,44 77,43 77,42 72,45 72,44 72,41 74,39 73.92,37 74,35 75,35 74,34 75,34 75,33 74,33 74,32 75,32 74,31 75,30 75,29 74,29 74,28 74,27 74,25 75,25 74,24 74,23 74,22 75,22 76,21 77,20 76,20 75,20 74,20 74,21 75,21 74,19 75,19 76,19 77,19 77,18 76,18 75,18 74,18 74,17 74,16 74,9 75,9 76,9 77,9 77,8 77,10 76,10 75,10 74,10 74,11 75,11 76,11 77,11 77,17 76,17 75,17 74,15 74,14 74,13 74,12 75,12 76,12 77,12 77,13 77,14 77,15 77,16 76,16 75,16 75,15 75,14 75,13 76,13 76,14 76,15 71,4 72,3 61,5 62,10 63,10 64,10 65,10 66,10 67,10 67,9 67,7 67,8 67,6 60,11 61,11 63,11 62,11 60,12 61,12 62,12 63,12 64,12 64,11 65,11 65,12 66,12 66,11 67,11 67,12 62,5 63,5 64,5 65,5 66,5 71.1,35.9 71,38 69,33 70,33 71,33 71,32 69,32 70,32 68,31 69,31 70,31 71,31 68,30 68,29 69,28 70,28 69,27 70,27 69,26 70,26 66,30 67,30 65,30 64,30 63,30 62,30 61,30 60,30 54,36 54,35 54,34 54,33 54,32 54,31 54,30 53,22 53,23 53,24 54,24 54,25 55,25 54,26 55,26 56,26 54,27 55,27 56,27 57,27 54,28 54,29 53,29 55,28 55,29 55,30 56,31 55,31 55,32 56,33 55,33 56,28 57,28 58,28 59,29 58,29 57,29 56,29 56,30 57,30 58,30 59,30 59,31 58,31 57,31 56,32 57,32 58,32 57,33 55,34 55,35 56,34 24,4 23,4
  pour Bottom (no thermals): 69.44,49.76 76.91,49.76 76.91,51.67 74.78,51.67 74.78,51.67 74.76,51.67 74.75,51.67 74.75,51.67 74.34,51.7 74.34,51.7 74.33,51.7 74.32,51.7 74.31,51.71 73.91,51.79 73.9,51.79 73.89,51.8 73.89,51.8 73.88,51.8 73.5,51.95 73.49,51.95 73.48,51.95 73.47,51.96 73.47,51.96 73.11,52.16 73.1,52.16 73.09,52.16 73.09,52.17 73.08,52.17 72.75,52.42 72.75,52.42 72.74,52.43 72.73,52.43 72.73,52.44 72.44,52.73 72.43,52.73 72.43,52.74 72.42,52.75 72.42,52.75 72.17,53.08 72.17,53.08 72.16,53.09 72.16,53.1 72.16,53.11 71.96,53.47 71.96,53.47 71.95,53.48 71.95,53.49 71.95,53.49 71.8,53.88 71.8,53.88 71.8,53.89 71.8,53.9 71.8,53.91 71.71,54.31 71.71,54.32 71.71,54.32 71.7,54.33 71.7,54.34 71.67,54.75 71.67,54.75 71.67,54.76 71.67,54.77 71.67,54.78 71.67,56.75 69.44,56.75
  pour Bottom (no thermals): 61.82,5.15 66.44,5.15 66.44,9.76 61.82,9.76